# KiCad board hw-tele-stern.kicad_pcb (continued)
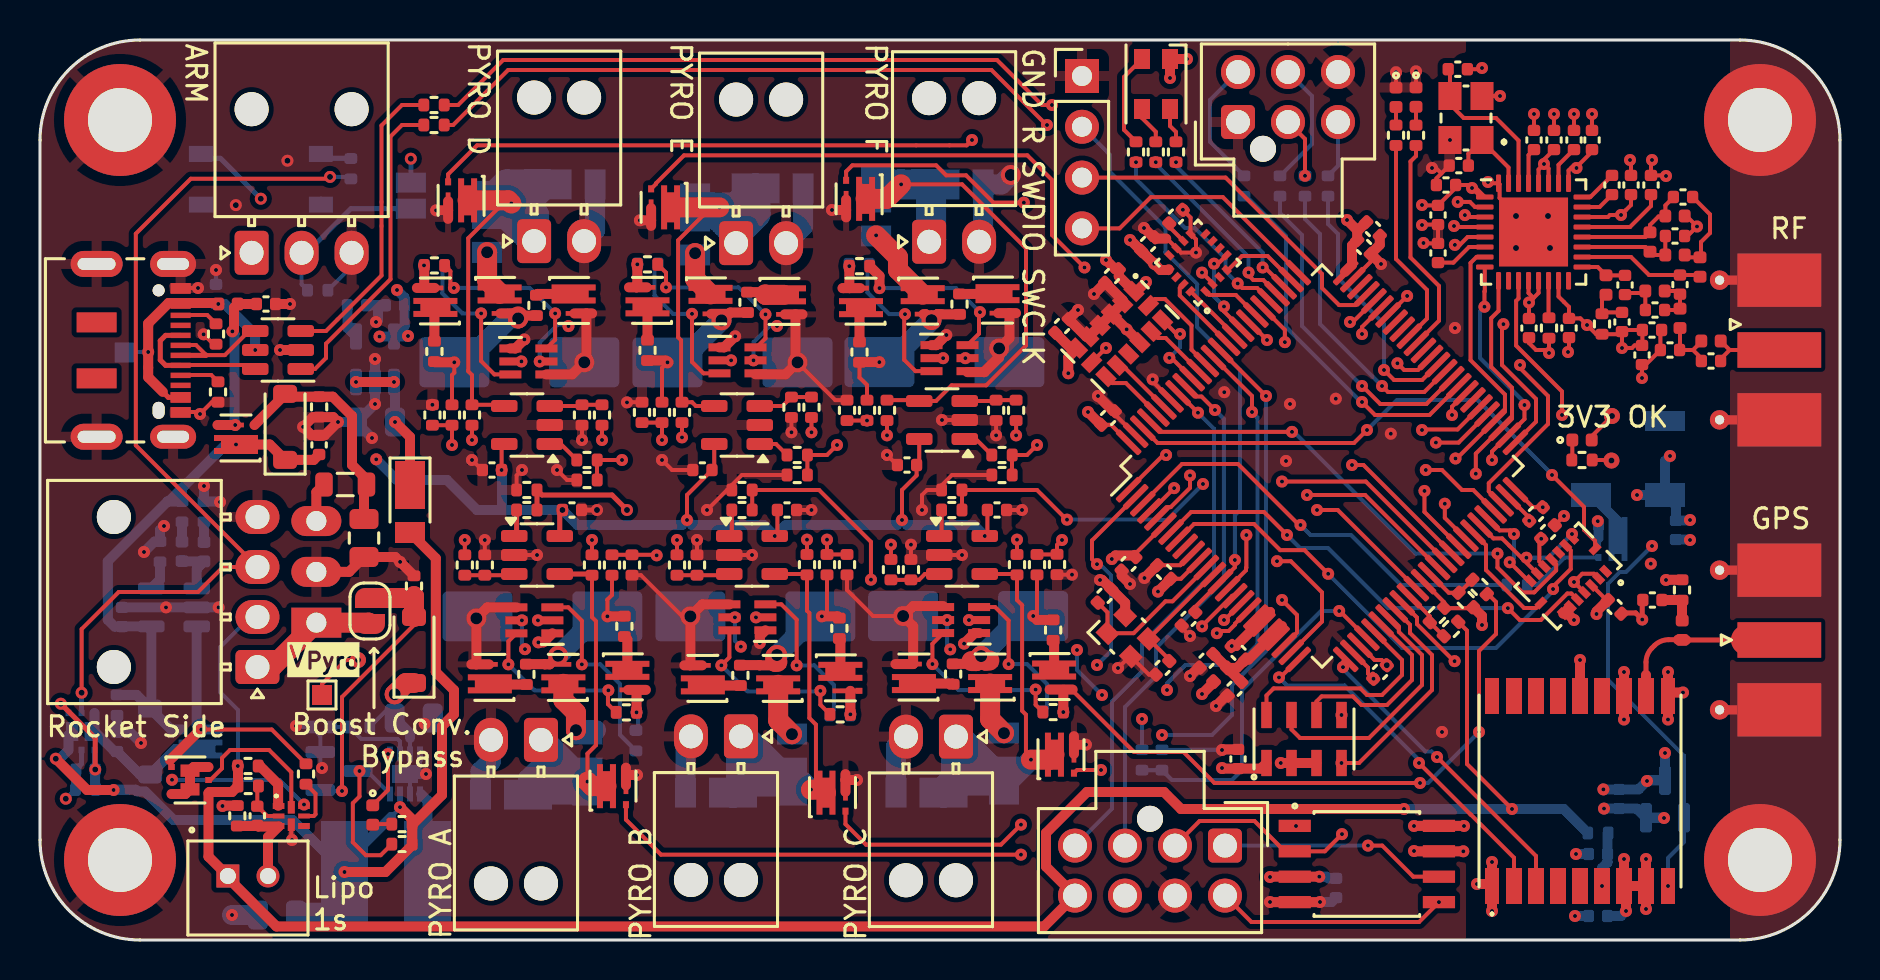
[diagram p0: board, top side]
## Library data of the parts (continued)
R22-R24 R38 R39 R44 R56-R58 R66-R68 R76-R78 R86-R88 = -: MPN: RC0402FR-07100KL; Spice_Netlist_Enabled: N; ki_fp_filters: R_*
R25 = -: MPN: ERJ-2RKF5601X; Spice_Netlist_Enabled: N; note: Checked; ki_fp_filters: R_*
R26 = -: MPN: CRGP0402F10K; Spice_Netlist_Enabled: N; note: Checked; ki_fp_filters: R_*
R27 = -: MPN: RC0402FR-07100KL; Spice_Netlist_Enabled: N; note: Checked; ki_fp_filters: R_*
R28 = -: MPN: RC0402FR-0760K4L; Spice_Netlist_Enabled: N; note: Checked; ki_fp_filters: R_*
R30 R32 = -: MPN: ERJ-U02F5602X; Spice_Netlist_Enabled: N; note: Checked; ki_fp_filters: R_*
R40-R43 = -: MPN: RK73H1ETTP2200F; Spice_Netlist_Enabled: N; note: Checked; ki_fp_filters: R_*
R52 R53 = -: MPN: CR0402-FX-1001GLF; Spice_Netlist_Enabled: N; note: Checked; ki_fp_filters: R_*
R54 R55 = -: MPN: RK73H1ETTP22R0F; Spice_Netlist_Enabled: N; note: Checked; ki_fp_filters: R_*
R64 = -: MPN: 603-RC0402FR-7W10RL; Spice_Netlist_Enabled: N; ki_fp_filters: R_*
R106 R107 = -: MPN: RK73H1ETTP2200F; Spice_Netlist_Enabled: N; ki_fp_filters: R_*
R171 = -: MPN: 603-RC0402FR-7W10RL; Spice_Netlist_Enabled: N; note: Checked; ki_fp_filters: R_*
R174 = -: MPN: CR0402-FX-1001GLF; ki_fp_filters: R_*
TP31 TP32 = -: ki_fp_filters: Pin* Test*
U1 = -: Datasheet: http://www.tracopower.com/products/tsr1.pdf; MPN: TSR 1-2450; ki_fp_filters: Converter*DCDC*TRACO*TSR?1*
U2 = -: Datasheet: http://ww1.microchip.com/downloads/en/DeviceDoc/20001984g.pdf; MPN: MCP73831T-2ACI/OT; ki_fp_filters: SOT?23*
U3 = -: Datasheet: https://www.mouser.de/datasheet/2/609/ADI-3122348.pdf
U4 = -: Datasheet: https://www.snapeda.com/parts/MS560702BA03-50/TE%20Connectivity/datasheet/
U5 = -: MPN: MX25L6433FM2I-08G
U6 = -: Datasheet: http://www.ti.com/lit/ds/symlink/cc1200.pdf; MPN: CC1200RHBT; ki_fp_filters: QFN*5x5mm*P0.5mm*
U7 = -: Datasheet: http://www.st.com/st-web-ui/static/active/en/resource/technical/document/datasheet/DM00049732.pdf; MPN: STM32L162VDT6; ki_fp_filters: LQFP*14x14mm*P0.5mm*
U8 = -: Datasheet: https://www.mouser.de/datasheet/2/1005/20200508464b1-2325217.pdf; Description: externally driven buzzer, 4kHz; MPN: 253-AD503PQ1; ki_fp_filters: *Buzzer*
U9 = -: Datasheet: https://www.mouser.de/datasheet/2/821/Memsic_09102019_MMC5983MA_Datasheet_Rev_A-1635338.pdf
U11 = -: Datasheet: http://ww1.microchip.com/downloads/en/DeviceDoc/21662F.pdf; MPN: TC2185-3.3VCTTR; ki_fp_filters: SOT?23*
U12 = -: Datasheet: https://www.mouser.de/datasheet/2/783/BST_BMI088_DS001-1509549.pdf
U13 = -: Datasheet: http://ww1.microchip.com/downloads/en/DeviceDoc/11184d.pdf; MPN: MCP130T-300I/TT; ki_fp_filters: SOT?23*
U14 = -: Datasheet: https://www.ti.com/general/docs/suppproductinfo.tsp?distId=26&gotoUrl=https://www.ti.com/lit/gpn/bq2980
U15 = -: Datasheet: https://www.st.com/resource/en/datasheet/usblc6-2.pdf; ki_fp_filters: SOT?23*
U16-U21 = -: Datasheet: https://www.ti.com/lit/ds/symlink/tl084.pdf?HQS=dis-dk-null-digikeymode-dsf-pf-null-wwe&ts=1704960963508; MPN: 595-TL081HIDBVR; ki_fp_filters: SOIC*3.9x4.9mm*P1.27mm* DIP*W7.62mm* TSSOP*3x3mm*P0.65mm*
U27 = -: Datasheet: https://www.mouser.de/datasheet/2/315/Panasonic_4_10_2023_Relay_Photomos__AQY282GSX_Seri-3135665.pdf; MPN: 769-AQY282GSX; ki_fp_filters: SO*4.4x4.3mm*P2.54mm*
X1 = -: MPN: ABM8W-40.0000MHZ-4-B1U-T3; ki_fp_filters: Crystal*
X2 = -: MPN: FA-20H 16.0000MF10Z-AJ0; ki_fp_filters: Crystal*

## Footprints (pads in the part's own frame, mm; a bottom-side part is the same pattern mirrored in y, then rotated)
AD-504-PQ1
  rect 2x1.2 smd: 1(-1.85,-1.85) 2(1.85,-1.85)
  rect 2x1 smd: 3(-1.85,1.85)
ad-lga-14
  rect 0.92x0.61 smd: 1(-1.01,2) 2(-1.01,1.2) 3(-1.01,0.4) 4(-1.01,-0.4) 5(-1.01,-1.2) 6(-1.01,-2) 8(1.01,-2) 9(1.01,-1.2) 10(1.01,-0.4) 11(1.01,0.4) 12(1.01,1.2) 13(1.01,2)
  rect 0.61x0.92 smd: 7(0,-2.01) 14(0,2.01)
ad-TDFN-8p-EP-2x2mm
  rect 0.75x0.3 smd: 1(-1,0.75) 2(-1,0.25) 3(-1,-0.25) 4(-1,-0.75) 5(1,-0.75) 6(1,-0.25) 7(1,0.25) 8(1,0.75)
  rect 0.9x1.3 smd: 9(0,0)
bosch-lga-16
  rect 0.35x0.59 smd: 1(-1.5,1.165) 2(-1,1.165) 3(-0.5,1.165) 4(0,1.165) 5(0.5,1.165) 6(1,1.165) 7(1.5,1.165) 9(1.5,-1.165) 10(1,-1.165) 11(0.5,-1.165) 12(0,-1.165) 13(-0.5,-1.165) 14(-1,-1.165) 15(-1.5,-1.165)
  rect 0.59x0.35 smd: 8(1.915,0) 16(-1.915,0)
C_0402_1005Metric
  rrect 0.56x0.62 smd: 1(-0.48,0) 2(0.48,0)
C_0805_2012Metric
  rrect 1x1.45 smd: 1(-0.95,0) 2(0.95,0)
Converter_DCDC_TRACO_TSR-1_THT
  rect 1.5x2.5 hole 1: 1(0,0)
  oval 1.5x2.5 hole 1: 2(2.54,0) 3(5.08,0)
CP_Elec_8x10
  rrect 3.5x2.5 smd: 1(-3.25,0) 2(3.25,0)
Crystal_SMD_Abracon_ABM3B-4Pin_3.2x2.5mm
  rect 1.4x1.15 smd: 1(-1.1,-0.488) 2(1.1,-0.488) 3(1.1,1.113) 4(-1.1,1.113)
Crystal_SMD_Abracon_ABM10-4Pin_2.5x2.0mm
  rect 0.8x0.9 smd: 1(-0.625,0.825) 2(-0.625,-0.825) 3(0.625,-0.825) 4(0.625,0.825)
D_PowerDI-123
  rect 2.4x1.5 smd: 1(-0.85,0)
  rect 1.05x1.5 smd: 2(1.525,0)
D_SOD-123
  rrect 0.9x1.2 smd: 1(-1.65,0) 2(1.65,0)
JEITA-sc88
  rect 1.1x0.4 smd: 1(-0.9,0.65) 2(-0.9,0) 3(-0.9,-0.65) 4(0.9,-0.65) 5(0.9,0) 6(0.9,0.65)
L_0402_1005Metric
  rrect 0.59x0.64 smd: 1(-0.485,0) 2(0.485,0)
L_0805_2012Metric
  rrect 0.875x1.2 smd: 1(-1.062,0) 2(1.062,0)
L_Bourns_SRN6045TA
  rect 2.35x5.1 smd: 1(-2.075,0) 2(2.075,0)
LED_0402_1005Metric
  rrect 0.59x0.64 smd: 1(-0.485,0) 2(0.485,0)
LED_Cree-PLCC4_3.2x2.8mm_CCW
  rect 1x0.8 smd: 1(-1.25,0.7) 2(-1.25,-0.7) 3(1.25,-0.7) 4(1.25,0.7)
LQFP-100_14x14mm_P0.5mm
  rrect 1.6x0.3 smd: 1(-7.675,6) 2(-7.675,5.5) 3(-7.675,5) 4(-7.675,4.5) 5(-7.675,4) 6(-7.675,3.5) 7(-7.675,3) 8(-7.675,2.5) 9(-7.675,2) 10(-7.675,1.5) 11(-7.675,1) 12(-7.675,0.5) 13(-7.675,0) 14(-7.675,-0.5) 15(-7.675,-1) 16(-7.675,-1.5) 17(-7.675,-2) 18(-7.675,-2.5) 19(-7.675,-3) 20(-7.675,-3.5) 21(-7.675,-4) 22(-7.675,-4.5) 23(-7.675,-5) 24(-7.675,-5.5) 25(-7.675,-6) 51(7.675,-6) 52(7.675,-5.5) 53(7.675,-5) 54(7.675,-4.5) 55(7.675,-4) 56(7.675,-3.5) 57(7.675,-3) 58(7.675,-2.5) 59(7.675,-2) 60(7.675,-1.5) 61(7.675,-1) 62(7.675,-0.5) 63(7.675,0) 64(7.675,0.5) 65(7.675,1) 66(7.675,1.5) 67(7.675,2) 68(7.675,2.5) 69(7.675,3) 70(7.675,3.5) 71(7.675,4) 72(7.675,4.5) 73(7.675,5) 74(7.675,5.5) 75(7.675,6)
  rrect 0.3x1.6 smd: 26(-6,-7.675) 27(-5.5,-7.675) 28(-5,-7.675) 29(-4.5,-7.675) 30(-4,-7.675) 31(-3.5,-7.675) 32(-3,-7.675) 33(-2.5,-7.675) 34(-2,-7.675) 35(-1.5,-7.675) 36(-1,-7.675) 37(-0.5,-7.675) 38(0,-7.675) 39(0.5,-7.675) 40(1,-7.675) 41(1.5,-7.675) 42(2,-7.675) 43(2.5,-7.675) 44(3,-7.675) 45(3.5,-7.675) 46(4,-7.675) 47(4.5,-7.675) 48(5,-7.675) 49(5.5,-7.675) 50(6,-7.675) 76(6,7.675) 77(5.5,7.675) 78(5,7.675) 79(4.5,7.675) 80(4,7.675) 81(3.5,7.675) 82(3,7.675) 83(2.5,7.675) 84(2,7.675) 85(1.5,7.675) 86(1,7.675) 87(0.5,7.675) 88(0,7.675) 89(-0.5,7.675) 90(-1,7.675) 91(-1.5,7.675) 92(-2,7.675) 93(-2.5,7.675) 94(-3,7.675) 95(-3.5,7.675) 96(-4,7.675) 97(-4.5,7.675) 98(-5,7.675) 99(-5.5,7.675) 100(-6,7.675)
MAXM10S00B
  rect 1.8x0.7 smd: 1(4.75,-4.4) 9(4.75,4.4) 10(-4.75,4.4) 18(-4.75,-4.4)
  rect 1.8x0.8 smd: 2(4.75,-3.3) 3(4.75,-2.2) 4(4.75,-1.1) 5(4.75,0) 6(4.75,1.1) 7(4.75,2.2) 8(4.75,3.3) 11(-4.75,3.3) 12(-4.75,2.2) 13(-4.75,1.1) 14(-4.75,0) 15(-4.75,-1.1) 16(-4.75,-2.2) 17(-4.75,-3.3)
memsic-lga-16
  rect 0.45x0.3 smd: 1(-1.275,0.75) 2(-1.275,0.25) 3(-1.275,-0.25) 4(-1.275,-0.75) 9(1.275,-0.75) 10(1.275,-0.25) 11(1.275,0.25) 12(1.275,0.75)
  rect 0.3x0.45 smd: 5(-0.75,-1.275) 6(-0.25,-1.275) 7(0.25,-1.275) 8(0.75,-1.275) 13(0.75,1.275) 14(0.25,1.275) 15(-0.25,1.275) 16(-0.75,1.275)
Molex_Nano-Fit_105310-xx06_2x03_P2.50mm_Vertical
  round 1.3 hole 1.3 unplated: (-1.34,-1.25)
  custom 1.7x1.7 hole 1.2: 1(0,0)
  round 1.7 hole 1.2: 2(0,-2.5) 3(0,-5) 4(2.5,0) 5(2.5,-2.5) 6(2.5,-5)
Molex_Nano-Fit_105310-xx08_2x04_P2.50mm_Vertical
  round 1.3 hole 1.3 unplated: (-1.34,-3.75)
  rrect 1.7x1.7 hole 1.2: 1(0,0)
  round 1.7 hole 1.2: 2(0,-2.5) 3(0,-5) 4(0,-7.5) 5(2.5,0) 6(2.5,-2.5) 7(2.5,-5) 8(2.5,-7.5)
Molex_Nano-Fit_105313-xx02_1x02_P2.50mm_Horizontal
  round 1.7 hole 1.7 unplated: (7.18,0) (7.18,-2.5)
  rrect 2.2x1.7 hole 1.2: 1(0,0)
  oval 2.2x1.7 hole 1.2: 2(0,-2.5)
Molex_Nano-Fit_105313-xx03_1x03_P2.50mm_Horizontal
  round 1.7 hole 1.7 unplated: (7.18,0) (7.18,-5)
  rrect 2.2x1.7 hole 1.2: 1(0,0)
  oval 2.2x1.7 hole 1.2: 2(0,-2.5) 3(0,-5)
Molex_Nano-Fit_105313-xx04_1x04_P2.50mm_Horizontal
  round 1.7 hole 1.7 unplated: (7.18,0) (7.18,-7.5)
  rrect 2.2x1.7 hole 1.2: 1(0,0)
  oval 2.2x1.7 hole 1.2: 2(0,-2.5) 3(0,-5) 4(0,-7.5)
MountingHole_3.2mm_M3_DIN965_Pad
  round 5.6 hole 3.2: 1(0,0)
PinHeader_1x04_P2.54mm_Vertical
  rect 1.7x1.7 hole 1: 1(0,0)
  oval 1.7x1.7 hole 1: 2(0,-2.54) 3(0,-5.08) 4(0,-7.62)
QFN-32-1EP_5x5mm_P0.5mm_EP3.45x3.45mm
  rrect 0.93x0.93 smd: (-1.15,1.15) (-1.15,0) (-1.15,-1.15) (0,1.15) (0,0) (0,-1.15) (1.15,1.15) (1.15,0) (1.15,-1.15)
  rrect 0.875x0.25 smd: 1(-2.438,1.75) 2(-2.438,1.25) 3(-2.438,0.75) 4(-2.438,0.25) 5(-2.438,-0.25) 6(-2.438,-0.75) 7(-2.438,-1.25) 8(-2.438,-1.75) 17(2.438,-1.75) 18(2.438,-1.25) 19(2.438,-0.75) 20(2.438,-0.25) 21(2.438,0.25) 22(2.438,0.75) 23(2.438,1.25) 24(2.438,1.75)
  rrect 0.25x0.875 smd: 9(-1.75,-2.438) 10(-1.25,-2.438) 11(-0.75,-2.438) 12(-0.25,-2.438) 13(0.25,-2.438) 14(0.75,-2.438) 15(1.25,-2.438) 16(1.75,-2.438) 25(1.75,2.438) 26(1.25,2.438) 27(0.75,2.438) 28(0.25,2.438) 29(-0.25,2.438) 30(-0.75,2.438) 31(-1.25,2.438) 32(-1.75,2.438)
  rect 3.45x3.45 smd: 33(0,0)
R_0402_1005Metric
  rrect 0.54x0.64 smd: 1(-0.51,0) 2(0.51,0)
SMA_Molex_73251-2120_EdgeMount_Horizontal
  rect 4.19x1.78 smd: 1(0,0)
  round 0.97 hole 0.46: 2(-2.985,3.493) 2(-2.985,-3.493)
  rect 0.89x0.46 smd: 2(-2.54,3.493) 2(-2.54,-3.493)
  rect 0.89x0.46 smd far side: 2(-2.54,3.493) 2(-2.54,-3.493)
  rect 4.19x2.665 smd: 2(0,3.493) 2(0,-3.493)
  rect 4.19x2.665 smd far side: 2(0,3.493) 2(0,-3.493)
SO-4_4.4x4.3mm_P2.54mm
  rect 1.2x0.8 smd: 1(-3,1.27) 2(-3,-1.27) 3(3,-1.27) 4(3,1.27)
SOIC127P790X216-8N
  rect 1.61x0.61 smd: 1(-3.605,1.905) 2(-3.605,0.635) 3(-3.605,-0.635) 4(-3.605,-1.905) 5(3.605,-1.905) 6(3.605,-0.635) 7(3.605,0.635) 8(3.605,1.905)
SolderJumper-2_P1.3mm_Open_Pad1.0x1.5mm
  rect 1x1.5 smd: 1(-0.65,0) 2(0.65,0)
SolderJumper-2_P1.3mm_Open_RoundedPad1.0x1.5mm
  custom 1x1.5 smd: 1(-0.65,0) 2(0.65,0)
SON125P300X500X100-8N
  rrect 1.31x0.53 smd: 1(-1.2,1.875) 2(-1.2,0.625) 3(-1.2,-0.625) 4(-1.2,-1.875) 5(1.2,-1.875) 6(1.2,-0.625) 7(1.2,0.625) 8(1.2,1.875)
SOT-23
  rrect 1.475x0.6 smd: 1(-0.938,0.95) 2(-0.938,-0.95) 3(0.938,0)
SOT-23-5
  rrect 1.325x0.6 smd: 1(-1.137,0.95) 2(-1.137,0) 3(-1.137,-0.95) 4(1.137,-0.95) 5(1.137,0.95)
SOT-23-6
  rrect 1.325x0.6 smd: 1(-1.137,0.95) 2(-1.137,0) 3(-1.137,-0.95) 4(1.137,-0.95) 5(1.137,0) 6(1.137,0.95)
TE_JST_1x2pin
  rect 1.15x1.15 hole 0.8: 1(0,0)
  round 1.15 hole 0.8: 2(2.007,0)
TestPoint_Pad_1.0x1.0mm
  rect 1x1 smd: 1(0,0)
TI-2XQFN
  rect 0.3x0.58 smd: 1(-0.5,-0.635) 3(0.5,-0.635) 5(0.5,0.635) 7(-0.5,0.635)
  rect 0.25x0.58 smd: 2(0,-0.635) 6(0,0.635)
  rect 0.63x0.35 smd: 4(0.435,0) 8(-0.435,0)
USB_C_Receptacle_JAE_DX07S016JA1R1500
  round 0.6 hole 0.6 unplated: (-3,1.95)
  rect 1x2 smd: (-1.4,-1.15) (1.4,-1.15)
  oval 0.85x0.6 hole 0.85x0.6 unplated: (3,1.95)
  rect 0.52x1 smd: A1(-3.1,3.05) A4(-2.35,3.05) A9(2.35,3.05) A12(3.1,3.05) B1(3.1,3.05) B4(2.35,3.05) B9(-2.35,3.05) B12(-3.1,3.05)
  rect 0.27x1 smd: A5(-1.75,3.05) A6(-0.25,3.05) A7(0.75,3.05) A8(1.75,3.05) B5(1.25,3.05) B6(0.25,3.05) B7(-0.75,3.05) B8(-1.25,3.05)
  oval 1.3x2.3 hole 0.6x1.6: S1(-4.32,2.675)
  oval 1.3x2.6 hole 0.6x1.9: S1(-4.32,-1.15) S1(4.32,-1.15)
  oval 1.2x2.3 hole 0.6x1.6: S1(4.32,2.675)
Vishay_PowerPAK_SC70-6L_Dual
  rect 0.325x0.3 smd: 1(-0.925,0.65) 2(-0.925,0) 3(-0.925,-0.65) 4(0.925,-0.65) 5(0.925,0) 6(0.925,0.65)
  rect 0.95x0.613 smd: 3(0,-0.467) 6(0,0.467)
Vishay_PowerPAK_SC70-6L_Single
  rect 0.6x0.8 smd: (-0.35,0.325) (0.35,0.325)
  rect 0.35x0.3 smd: 1(-0.925,-0.65) 2(0.925,-0.65)
  rect 0.87x0.235 smd: 2(0.04,-0.65)
  custom 2.2x0.95 smd: 3(0,0.325)

## Nets
+3.3VA: C600.1 C601.2 C602.1 L600.2 U7.21 U7.22
+3V3: C9.1 C10.1 C12.1 C22.1 C34.1 C35.1 C36.1 C37.1 C38.1 C39.1 C40.1 C41.1 C43.1 C44.1 C45.1 C46.1 C47.1 C50.1 C101.1 C102.1 C171.1 C172.1 C173.2 C221.1 C251.1 C271.1 C301.1 C302.1 D10.2 D15.1 IC2.7 IC2.8 J9.7 JP2.2 L600.1 R22.1 R23.1 R38.1 R39.1 R56.1 R57.1 R66.1 R67.1 R76.1 R77.1 R86.1 R87.1 R171.2 U3.1 U3.6 U4.1 U5.3 U5.7 U5.8 U6.1 U6.5 U6.12 U6.13 U6.15 U6.22 U6.25 U6.27 U6.28 U7.6 U7.11 U7.28 U7.50 U7.75 U7.100 U8.1 U9.2 U9.13 U11.5 U12.3 U12.11 U13.2
GND: C1.1 C2.2 C4.2 C5.1 C6.2 C7.2 C8.2 C9.2 C10.2 C11.2 C12.2 C14.2 C15.2 C16.2 C17.2 C18.2 C19.2 C20.2 C21.2 C22.2 C23.2 C24.2 C25.2 C26.2 C27.2 C28.2 C29.2 C30.1 C31.1 C32.1 C33.1 C34.2 C35.2 C36.2 C37.2 C38.2 C39.2 C40.2 C41.2 C42.2 C43.2 C44.2 C45.2 C46.2 C47.2 C48.2 C49.2 C50.2 C101.2 C102.2 C171.2 C172.2 C175.1 C210.2 C211.2 C221.2 C251.2 C261.2 C271.2 C291.2 C301.2 C302.2 C600.2 C601.1 C602.2 C610.2 D2.1 D9.1 D16.2 D17.2 D18.2 D19.2 D20.2 D21.2 H1.1 H2.1 H3.1 H4.1 IC1.2 IC1.8 IC1.9 IC2.1 IC2.10 IC2.12 J1.4 J2.3 J3.2 J4.2 J6.2 J7.2 J8.2 J9.6 J10.2 J11.2 J12.A1 J12.A12 J12.B1 J12.B12 J12.S1 J20.1 J21.1 J21.6 J91.2 L192.2 Q4.2 Q6.1 Q6.4 Q8.2 Q9.1 Q9.4 Q11.1 Q11.4 Q13.2 Q14.1 Q14.4 Q16.1 Q16.4 Q18.2 Q19.1 Q19.4 Q21.2 Q23.2 Q24.2 Q26.2 Q28.2 Q29.2 Q31.2 Q33.2 Q34.2 Q36.2 R1.2 R2.2 R4.2 R8.2 R10.2 R13.1 R15.2 R16.2 R24.2 R26.2 R28.2 R30.2 R31.2 R36.2 R44.2 R46.2 R58.2 R60.2 R68.2 R70.2 R74.2 R78.2 R80.2 R88.2 R90.2 R92.2 R94.2 R96.2 R98.2 R100.2 R102.2 R103.2 R104.1 U1.2 U2.2 U3.2 U3.3 U3.4 U3.5 U3.11 U4.2 U4.3 U5.4 U6.32 U6.33 U7.10 U7.19 U7.20 U7.27 U7.37 U7.49 U7.74 U7.94 U7.99 U9.9 U9.11 U11.2 U12.2 U12.4 U12.6 U12.7 U13.3 U14.4 U15.2 U16.2 U17.2 U18.2 U19.2 U20.2 U21.2 U27.2 U27.3 X1.2 X1.4 X2.2 X2.4
VBUS: C15.1 FB1.2 Q2.2
+BATT: B1.1 J1.2 J9.8 Q5.4 R12.1 R14.1 R25.1 R32.2
-BATT: B1.2 C13.1 R13.2 U14.3
/ARM: J2.2 JP2.1 Q6.2 Q9.2 Q11.2 Q14.2 Q16.2 Q19.2 R20.1 R103.1
/arm_3v3: R20.2 R36.1 U7.29
/Barometer/CS: U4.4 U4.5 U7.33
/Barometer/miso: U4.6 U7.31
/Barometer/mosi: U4.7 U7.32
/Barometer/sck: U4.8 U7.30
/bat_cutoff: C3.2 J1.3 Q3.2 Q3.5 R3.2 R174.1
/GPS/gps_ant_50ohm: IC2.11 J91.1 L3.1
/GPS/gps_vbckp: C49.1 IC2.6 R32.1
/GPS/gps_vcc_rf: IC2.14 R64.1
/GPS/rx: IC2.2 U7.25
/GPS/tx: IC2.3 U7.26
/High-G-Accelerometer/CS: U3.7 U7.63
/High-G-Accelerometer/INT1: U3.8 U7.96
/High-G-Accelerometer/INT2: U3.9 U7.95
/High-G-Accelerometer/miso: U3.12 U7.90
/High-G-Accelerometer/mosi: U3.13 U7.91
/High-G-Accelerometer/sck: U3.14 U7.89
/IMU/CS_accel: U7.8 U12.14
/IMU/CS_gyro: U7.7 U12.5
/IMU/INT_accel: U7.98 U12.16
/IMU/INT_gyro: U7.97 U12.12
/IMU/miso: U7.45 U12.10 U12.15
/IMU/mosi: U7.46 U12.9
/IMU/sck: U7.44 U12.8
/Magnetometer/CS: U7.77 U9.4
/Magnetometer/int: U7.86 U9.15
/Magnetometer/miso: U7.84 U9.5
/Magnetometer/mosi: U7.85 U9.16
/Magnetometer/sck: U7.82 U9.1
/microcontroller/beeper: R50.2 U7.3
/microcontroller/cs_companion0: J9.3 U7.92
/microcontroller/cs_companion1: J9.4 U7.93
/microcontroller/cs_flash: U5.1 U7.58
/microcontroller/led_green: R53.1 U7.66
/microcontroller/led_red: R52.1 U7.65
/microcontroller/pwm_a: R40.2 U7.59
/microcontroller/pwm_b: R41.2 U7.60
/microcontroller/pwm_c: R43.2 U7.61
/microcontroller/pwm_d: R42.2 U7.62
/microcontroller/reset_n: C610.1 J20.2 U7.14
/microcontroller/rgb_led_blue: R107.1 U7.78
/microcontroller/rgb_led_green: R106.1 U7.79
/microcontroller/rgb_led_red: R105.1 U7.80
/microcontroller/servo_a: J21.4 R40.1
/microcontroller/servo_b: J21.5 R41.1
/microcontroller/servo_c: J21.2 R43.1
/microcontroller/servo_d: J21.3 R42.1
/microcontroller/stm32_usbd+: R55.1 U7.71
/microcontroller/stm32_usbd-: R54.1 U7.70
/microcontroller/swclk: J20.4 U7.76
/microcontroller/swdio: J20.3 U7.72
/microcontroller/v_batt: R25.2 R26.1 U7.35
/microcontroller/v_pbatt: R27.2 R28.1 U7.38
/microcontroller/xtal_1: C32.2 U7.12 X2.1
/microcontroller/xtal_2: C33.2 U7.13 X2.3
/POWER/boost_lx: IC1.1 L2.2
/POWER/traco_clean: C1.2 D3.2 L1.2 Q2.1 R2.1
/POWER/v_bypass: D7.2 JP1.2 Q4.1 R104.2
/POWER/v_charge: C4.1 C6.1 D1.2 D3.1 Q1.1 Q2.3 R1.1 R7.1 U2.4
/POWER/v_ldo_in: C8.1 D8.1 U11.1 U11.3
/POWER/v_pack: Q1.2 Q5.1 R11.1 U2.3
/POWER/v_radiosilence_bidirect: C3.1 Q3.1 Q3.4 R3.1
/POWER/v_system: C5.2 D8.2 IC1.3 L2.1 Q3.3 R5.2 R6.2
/POWER/v_system_selected: C2.1 D1.1 Q1.3 Q3.6
/power_good: IC2.9 U6.2 U13.1
/PYRO A/cap_voltage: R93.2 R94.1 U7.16
/PYRO A/fire: Q9.5 U7.87
/PYRO A/pyro_charge_prelimit: Q12.3 R34.1
/PYRO A/pyro_discharge: Q13.3 R35.1
/PYRO A/pyro_ign+: D12.1 D17.1 J3.1 Q24.3 R38.2 U16.4
/PYRO A/pyro_narm: Q9.6 Q12.1 Q13.1 R33.2
/PYRO A/pyro_nfire: Q9.3 Q15.1 R37.2
/PYRO A/pyro_unprotected: D12.2 Q15.3
/PYRO A/pyro_vcap: C18.1 Q15.2 R34.2 R35.2 R93.1
/PYRO A/pyro_wsbridge_ref: R39.2 R44.1 U16.3
/PYRO A/sense: R45.2 R46.1 U7.55
/PYRO A/short: Q24.1 U7.43
/PYRO A/ws_comp: R45.1 U16.1
/PYRO B/cap_voltage: R91.2 R92.1 U7.17
/PYRO B/fire: Q6.5 U7.88
/PYRO B/pyro_charge_prelimit: Q7.3 R18.1
/PYRO B/pyro_discharge: Q8.3 R19.1
/PYRO B/pyro_ign+: D11.1 D16.1 J4.1 Q26.3 R22.2 U17.4
/PYRO B/pyro_narm: Q6.6 Q7.1 Q8.1 R17.2
/PYRO B/pyro_nfire: Q6.3 Q10.1 R21.2
/PYRO B/pyro_unprotected: D11.2 Q10.3
/PYRO B/pyro_vcap: C16.1 Q10.2 R18.2 R19.2 R91.1
/PYRO B/pyro_wsbridge_ref: R23.2 R24.1 U17.3
/PYRO B/sense: R29.2 R31.1 U7.56
/PYRO B/short: Q26.1 U7.42
/PYRO B/ws_comp: R29.1 U17.1
/PYRO C/cap_voltage: R95.2 R96.1 U7.18
/PYRO C/fire: Q11.5 U7.2
/PYRO C/pyro_charge_prelimit: Q17.3 R48.1
/PYRO C/pyro_discharge: Q18.3 R49.1
/PYRO C/pyro_ign+: D13.1 D18.1 J6.1 Q29.3 R56.2 U18.4
/PYRO C/pyro_narm: Q11.6 Q17.1 Q18.1 R47.2
/PYRO C/pyro_nfire: Q11.3 Q20.1 R51.2
/PYRO C/pyro_unprotected: D13.2 Q20.3
/PYRO C/pyro_vcap: C20.1 Q20.2 R48.2 R49.2 R95.1
/PYRO C/pyro_wsbridge_ref: R57.2 R58.1 U18.3
/PYRO C/sense: R59.2 R60.1 U7.40
/PYRO C/short: Q29.1 U7.47
/PYRO C/ws_comp: R59.1 U18.1
/PYRO D/cap_voltage: R97.2 R98.1 U7.23
/PYRO D/fire: Q14.5 U7.1
/PYRO D/pyro_charge_prelimit: Q22.3 R62.1
/PYRO D/pyro_discharge: Q23.3 R63.1
/PYRO D/pyro_ign+: D14.1 D19.1 J7.1 Q31.3 R66.2 U19.4
/PYRO D/pyro_narm: Q14.6 Q22.1 Q23.1 R61.2
/PYRO D/pyro_nfire: Q14.3 Q25.1 R65.2
/PYRO D/pyro_unprotected: D14.2 Q25.3
/PYRO D/pyro_vcap: C24.1 Q25.2 R62.2 R63.2 R97.1
/PYRO D/pyro_wsbridge_ref: R67.2 R68.1 U19.3
/PYRO D/sense: R69.2 R70.1 U7.41
/PYRO D/short: Q31.1 U7.69
/PYRO D/ws_comp: R69.1 U19.1
/PYRO E/cap_voltage: R99.2 R100.1 U7.24
/PYRO E/fire: Q16.5 U7.5
/PYRO E/pyro_charge_prelimit: Q27.3 R72.1
/PYRO E/pyro_discharge: Q28.3 R73.1
/PYRO E/pyro_ign+: D20.1 D22.1 J10.1 Q34.3 R76.2 U20.4
/PYRO E/pyro_narm: Q16.6 Q27.1 Q28.1 R71.2
/PYRO E/pyro_nfire: Q16.3 Q30.1 R75.2
/PYRO E/pyro_unprotected: D22.2 Q30.3
/PYRO E/pyro_vcap: C26.1 Q30.2 R72.2 R73.2 R99.1
/PYRO E/pyro_wsbridge_ref: R77.2 R78.1 U20.3
/PYRO E/sense: R79.2 R80.1 U7.39
/PYRO E/short: Q34.1 U7.83
/PYRO E/ws_comp: R79.1 U20.1
/PYRO F/cap_voltage: R101.2 R102.1 U7.15
/PYRO F/fire: Q19.5 U7.4
/PYRO F/pyro_charge_prelimit: Q32.3 R82.1
/PYRO F/pyro_discharge: Q33.3 R83.1
/PYRO F/pyro_ign+: D21.1 D23.1 J11.1 Q36.3 R86.2 U21.4
/PYRO F/pyro_narm: Q19.6 Q32.1 Q33.1 R81.2
/PYRO F/pyro_nfire: Q19.3 Q35.1 R85.2
/PYRO F/pyro_unprotected: D23.2 Q35.3
/PYRO F/pyro_vcap: C28.1 Q35.2 R82.2 R83.2 R101.1
/PYRO F/pyro_wsbridge_ref: R87.2 R88.1 U21.3
/PYRO F/sense: R89.2 R90.1 U7.36
/PYRO F/short: Q36.1 U7.81
/PYRO F/ws_comp: R89.1 U21.1
/RF-tranciever/ANT: C177.2 J8.1 L174.2
/RF-tranciever/cs_radio: U6.11 U7.34
/RF-tranciever/radio_int: U6.4 U7.48
/RF-tranciever/radio_marc_isr: U6.3 U7.51
/RF-tranciever/rf_lnan: C191.1 L191.2 L192.1 U6.20
/RF-tranciever/rf_lnap: C210.1 L191.1 L201.1 U6.19
/RF-tranciever/rf_lpf0: C231.1 U6.23
/RF-tranciever/rf_lpf1: C231.2 U6.24
/RF-tranciever/rf_net_c174: C174.2 C176.1 L172.1
/RF-tranciever/rf_net_l171: C173.1 L171.2 R171.1
/RF-tranciever/rf_net_l172: C176.2 C181.2 L172.2 L173.1
/RF-tranciever/rf_net_l173: C175.2 C177.1 L173.2 L174.1
/RF-tranciever/rf_net_l201: C191.2 L193.1 L201.2
/RF-tranciever/rf_pa: C174.1 L171.1 U6.17
/RF-tranciever/rf_trxsw: C181.1 L193.2 U6.18
/SPI2.miso: J9.2 U5.2 U6.9 U7.53
/SPI2.mosi: J9.5 U5.5 U6.7 U7.54
/SPI2.sck: J9.1 U5.6 U6.8 U7.52
/USB/usb_cc: J12.A5 R16.1
/USB/usb_vbus: C14.1 FB1.1 J12.A4 J12.A9 J12.B4 J12.B9 TP32.1 U15.5
/USB/usb_vconn: J12.B5 R15.1
/USB/usbd+: R55.2 U15.3
/USB/usbd-: R54.2 U15.1
/USB/usbdm_in: J12.A7 J12.B7 U15.6
/USB/usbdp_in: J12.A6 J12.B6 U15.4
/v_rocket: J1.1 JP1.1 U1.1
VPyro: C7.1 C17.1 C19.1 C23.1 C25.1 C27.1 C29.1 D7.1 IC1.7 J2.1 Q7.2 Q12.2 Q17.2 Q22.2 Q27.2 Q32.2 R9.1 R17.1 R21.1 R27.1 R33.1 R37.1 R47.1 R51.1 R61.1 R65.1 R71.1 R75.1 R81.1 R85.1 TP31.1 U16.5 U17.5 U18.5 U19.5 U20.5 U21.5 U27.4
Net-(C48-Pad1): C48.1 L3.2 R64.2
Net-(D2-A): D2.2 R53.2
Net-(D4-A): D4.2 R5.1
Net-(D4-K): D4.1 IC1.5
Net-(D5-A): D5.2 R7.2
Net-(D5-K): D5.1 D6.2 U2.1
Net-(D6-K): D6.1 R8.1
Net-(D9-A): D9.2 R52.2
Net-(D10-K): D10.1 R74.1
Net-(D15-BK): D15.4 R107.2
Net-(D15-GK): D15.3 R106.2
Net-(D15-RK): D15.2 R105.2
Net-(IC1-EN): IC1.4 Q4.3 R6.1
Net-(IC1-FB): IC1.6 R9.2 R10.1
Net-(Q5A-D): Q5.3 Q5.6
Net-(Q5A-G): Q5.2 U14.7
Net-(Q5B-G): Q5.5 U14.8
Net-(Q21-D): Q21.3 U8.2
Net-(Q21-G): Q21.1 R50.1
Net-(R174-Pad2): R174.2 U27.1
Net-(U1-Vout): L1.1 U1.3
Net-(U2-PROG): R4.1 U2.5
Net-(U6-DCPL): C42.1 U6.6
Net-(U6-DCPL_PFD_CHP): C261.1 U6.26
Net-(U6-DCPL_VCO): C211.1 U6.21
Net-(U6-DCPL_XOSC): C291.1 U6.29
Net-(U6-RBIAS): R30.1 U6.14
Net-(U6-XOSC_Q1): C31.2 U6.30 X1.3
Net-(U6-XOSC_Q2): C30.2 U6.31 X1.1
Net-(U9-CAP): C21.1 U9.10
Net-(U11-BP): C11.1 U11.4
Net-(U14-BAT): R12.2 U14.1
Net-(U14-PACK): R11.2 U14.6
Net-(U14-VDD): C13.2 R14.2 U14.2

Pads without a net: IC2 4 5 13 15 16 17 18; J12 A8 B8; U3 10; U6 10 16; U7 9 57 64 67 68 73; U8 3; U9 3 6 7 8 12 14; U12 1 13; U14 5

## Via types
v1: diameter 0.6, hole 0.2, F.Cu (Sig+GND) to B.Cu (Sig+12v), 385 vias
v2: diameter 1, hole 0.3, F.Cu (Sig+GND) to B.Cu (Sig+12v), 4 vias
v3: diameter 1, hole 0.6, F.Cu (Sig+GND) to B.Cu (Sig+12v), 19 vias
v4: diameter 0.6, hole 0.3, F.Cu (Sig+GND) to B.Cu (Sig+12v), 14 vias
v5: diameter 0.8, hole 0.3, F.Cu (Sig+GND) to B.Cu (Sig+12v), 3 vias

## Routing (per net, layer and track width the routed paths; a pad name or vN(x,y) marks a point on that pad's centre or on a via; arc(x,y) is an arc through that point)
+3.3VA: length 5.6
  F.Cu (Sig+GND) w0.5: 62.1,15.7 60.42,14.02 C600.1 59.85,13.6 L600.2 ; C602.1 C601.2
+3V3: length 104.1
  F.Cu (Sig+GND) w0.2: U6.13 74.93,32.35 74.67,32.1 ; 74.67,32.1 v1(74.45,31.88) C45.1 ; 74.67,32.1 74.43,32.35 U6.12 ; U6.22 78.4,36.15 78.5,36.25 v1(79.05,36.25) 79.55,36.75 C221.1 ; U7.11 57.05,18.06 C35.1 ; v1(70.74,34.76) 70.99,34.76 71.38,35.15 U6.5 ; R23.1 v1(31.85,20) ; C40.1 53.55,25.76 U7.100 ; R77.1 v1(38.57,25.39) ; v1(75.2,38.8) 75.2,39.02 C271.1 ; v1(75.2,38.8) 74.93,38.53 U6.28 ; v1(75.2,38.8) 75.43,38.57 U6.27 ; U12.11 74.97,18.92 74.97,19.97 v1(75.06,20.06) ; R22.1 v1(38.35,20.02) ; R76.1 v1(32.1,25.13) ; U9.2 58.62,32.84 v1(58.1,33.37) ; D10.2 77.58,25.19 v5(78.6,26.2) ; R38.1 v1(27.6,20) ; U6.25 76.43,38.48 76.58,38.62 76.6,38.6 v1(76.83,38.6) 76.83,38.64 77.7,39.52 ; R86.1 v1(42.35,25.23) ; 79.18,30.5 C171.1 80.12,29.75 ; R67.1 v1(28.1,25) ; U12.3 77.59,17.73 78.36,16.96 ; R56.1 v1(48.85,20.02) ; R57.1 v1(42.55,19.77) ; v1(69.1,36.75) 69.12,36.73 C44.1 70.92,37.75 71.64,37.75 U6.1 72.05,37.15 v1(71.6,37.6) 71.45,37.75 C43.1 ; v4(67.34,13.74) 67.08,14 66.73,14 U7.28 ; U7.50 74.65,21.64 v1(75.14,21.64) ; R87.1 v1(48.8,25.23) ; C173.2 v1(79.1,29.6) 79.6,29.6 79.73,29.73 C172.1 ; R66.1 v1(21.6,25) ; C36.1 54.76,19.31 U7.6 ; R39.1 v1(21.24,20) ; C22.1 56.02,33.5 U9.13 ; U6.15 75.93,32.17 76.45,31.65 C47.1 77.02,31.08 77.81,30.29 R171.2 78.97,30.29
  F.Cu (Sig+GND) w0.5: v1(79.2,4.05) IC2.7 IC2.8 ; v1(53.3,34) 53.76,33.54 C101.1 53.94,33.19 U3.1 54.83,32.43 v1(55.3,32.9) ; C36.1 54.68,19.23 53.77,19.23 v1(53.59,19.05) ; v1(63.96,3.17) U5.3 61.52,3.17 v1(61.5,3.15) ; U4.1 61.05,8.57 C10.1 59.13,8.57 v1(59.1,8.6) ; IC2.8 v1(80.3,1.55) ; IC2.8 v1(80.3,4.05) ; 65.25,33.41 65.6,33.76 65.6,34.73 C39.1 65.86,35.44 C34.1 65.89,35.46 v1(65.35,36) ; v1(56.5,43.1) D15.1 v1(57.35,44.05) ; v1(54.5,35) 54.52,35 55.31,34.21 ; 78.36,16.96 77.83,16.43 v1(77.83,16.3) ; v1(58.1,12.3) 58.68,12.88 L600.1 ; v1(52.4,26.4) 53.04,25.76 C40.1 ; v1(71.2,5.7) 71.2,5.7 U5.8 68.7,5.7 v1(68.7,5.7) ; v1(51.41,28.34) 51.41,29.14 U3.6 51.52,29.6 C102.1 ; v1(68.7,4.45) 68.71,4.44 U5.7 v1(71.17,4.44) ; v1(79.3,1.45) 79.3,2.6 ; C22.1 v1(55.71,33.81) 56.02,33.5 56.4,33.5 56.43,33.53 ; v1(55.9,17.42) C35.1
  B.Cu (Sig+12v) w0.25: JP2.2 v4(18.54,39.06)
  B.Cu (Sig+12v) w0.5: U11.5 18.23,30.7 C12.1 18.23,32.12 v1(17.85,32.5) ; U11.5 18.38,30.17 v1(18.4,30.2) ; U11.5 16.98,30.17 v1(16.98,30.17) ; v1(81.2,6.1) 81.19,6.11 U13.2 79.84,6.57 C9.1 v1(78.2,6.57) ; C46.1 79.05,1.2 v1(79.3,1.45) ; v1(79.85,22.25) U8.1 ; U8.1 81.25,23.95 v1(81.5,24.2) ; U8.1 81.8,21.7 C50.1 82.48,20.98 v1(82.5,21) ; C41.1 64.42,3.08 64.33,3.17 v1(63.96,3.17)
  vias: v1(77.35,30.75)
GND: length 262.1
  F.Cu (Sig+GND) w0.2: v1(25.85,23.5) 26.35,23 R70.2 ; U7.99 53.74,26.28 C40.2 ; 80.29,28.77 C175.1 81.02,30.44 ; Q11.4 43.61,16.65 v3(43.16,16.2) 41.65,16.2 40.35,17.5 R92.2 ; 56.31,35.07 56.35,35.07 U9.11 57.05,34.37 v1(57.8,34.37) 57.8,35.03 U9.9 57.53,36.12 C21.2 v1(57.14,36.51) ; R58.2 v1(43.55,19.77) ; U7.94 55.63,27.93 v1(55.63,28.03) ; v1(80.6,39) 80.55,38.95 C211.2 81.27,38.23 v1(81.3,38.2) ; C23.2 v1(49.1,21.5) ; U18.2 v1(46.1,19.25) ; R78.2 v1(37.57,25.39) ; R88.2 v1(47.8,25.23) ; v1(57.5,15.2) 57.09,15.61 C610.2 ; 82.35,36.17 v1(82.85,35.67) 82.38,35.2 ; C291.2 v1(74.7,41.3) ; Q19.4 47.02,28.44 47.95,29.37 v3(47.95,29.58) ; R94.2 30.05,18.24 32.11,16.18 v3(32.52,16.18) ; U14.4 12.56,5.03 v1(12.6,5) ; 70.07,38.33 C30.1 ; 70.07,38.33 69.8,38.6 v1(69.6,38.6) ; 70.07,38.33 69.82,38.08 C43.2 ; R24.2 v1(32.85,20) ; R90.2 45.6,23.25 45.08,22.73 R60.2 44.35,22.5 44.1,22.25 v1(44.1,21.5) ; v1(72.4,37.9) 72.46,37.84 U6.32 72.98,37.79 72.98,37.1 U6.33 ; v1(53.9,13.6) 54.47,14.17 X2.2 55.45,13.27 C33.1 ; U12.4 v1(76.7,17.9) 77.11,18.31 77.7,18.31 U12.2 ; 7.05,32.6 v1(7.9,32.6) ; U17.2 v1(35.6,19.25) ; R100.2 29.36,26.89 v1(29.35,26.88) ; v1(33.35,21.5) 34.35,22.5 R31.2 34.59,22.75 35.09,23.25 R80.2 ; R44.2 v1(22.24,20) ; v1(42.35,24.25) 42.85,23.75 C29.2 ; C27.2 31.6,23.5 v1(31.1,24) ; U16.2 v1(24.85,19.25) ; U7.37 70.21,16.88 R26.2 70.23,16.59 71.71,16.59 71.8,16.5 ; U7.10 57.02,18.74 C35.2 ; C221.2 79.55,38.95 v1(79.5,39) ; R46.2 23.83,23.23 v1(24.1,23.5) ; C261.2 v1(76.7,41.3) ; C45.2 74.45,29.85 74.8,29.5 75.3,29.5 v1(75.45,29.35) R30.2 ; C47.2 76.45,29.45 v1(76.4,29.4) ; C251.2 v1(77.6,41.3) ; R102.2 39.77,26.99 v3(37.88,28.88) 37.33,28.33 Q16.4 ; v1(21.6,24) 22.1,23.5 C25.2 ; U7.74 66.54,33.92 C39.2 ; R15.2 8.59,26.89 v1(8,26.3) 7.9,26.4 7.05,26.4 ; v5(78.57,23.97) 78.55,24 R74.2 ; C302.2 v1(76.2,21.2) ; v1(69.1,35.75) 69.12,35.77 C44.2 C42.2 69.19,34.83 v1(69.17,34.85) ; v1(73,42.2) 71.69,42.2 ; C37.2 66.4,13.32 66.4,13.62 U7.27 ; D2.1 v1(67.8,43.39) ; 68.8,42.62 v1(68.8,43.44) ; U21.2 v1(45.1,26) ; R96.2 v1(51.6,18.27) ; R16.2 8.67,29.79 v1(8.18,30.28) ; C31.1 72.04,43.54 v1(72.1,43.6) ; v1(38.57,21.5) C17.2 ; R104.1 17.76,19.15 ; C271.2 v1(75.7,41.3) ; C172.2 v1(80.1,28.1) ; v1(74.46,20.96) 74.46,21.12 U7.49 ; R68.2 v1(27.1,25) ; U7.19 U7.20
  F.Cu (Sig+GND) w0.25: C48.2 80.11,16.97 v1(80.11,16.02) 79.78,16.35 79.2,16.35 ; C19.2 v4(27.85,21.5)
  F.Cu (Sig+GND) w0.5: v1(59.1,9.5) 59.13,9.53 C10.2 ; 81.4,12.38 v1(81.4,11.03) ; 81.4,12.38 v1(81.4,13.4) ; 81.4,12.38 v1(82.15,12.38) ; Q19.1 44.81,29.74 v1(45.32,30.25) ; U15.2 v1(12,29.5) ; Q23.2 27.32,31.33 ; 27.32,31.33 27.32,28.99 v3(27.21,28.89) 26.61,28.28 Q14.4 ; 27.32,31.33 Q23.2 ; 21.82,13.78 Q13.2 ; 21.82,13.78 Q13.2 ; 21.82,13.78 v3(21.82,16.08) 22.37,16.63 Q9.4 ; v1(62.04,8.85) U4.2 U4.3 ; 37.78,31.28 Q28.2 ; 37.78,31.28 Q28.2 ; 37.78,31.28 37.78,28.98 v3(37.88,28.88) 37.28,28.28 35.78,28.28 ; 45.16,16.7 43.66,16.7 v3(43.16,16.2) 43.66,15.7 Q18.2 Q18.2 ; 30.56,35.98 v1(30,35.98) ; 30.56,35.98 Q34.2 ; 30.56,35.98 Q34.2 ; v1(72.1,15.75) 72.1,16.2 71.8,16.5 ; Q26.2 40.27,8 ; 40.27,8 v1(40.85,8) ; 40.27,8 Q26.2 ; v1(67.05,33.8) C39.2 66.99,34.76 C34.2 ; 29.3,8.25 v1(29.85,8.25) ; 29.3,8.25 Q24.2 ; 29.3,8.25 Q24.2 ; 72.6,2.8 v1(72.6,3.9) ; 72.6,2.8 v1(71.85,2.8) ; 72.6,2.8 v1(72.6,1.45) ; C602.2 57.92,13.62 v1(57.5,13.2) ; Q6.1 35.99,15.2 v1(35.99,14.85) ; Q8.2 32.52,13.73 ; 32.52,13.73 v3(32.52,16.18) 33.12,16.78 Q6.4 ; 32.52,13.73 Q8.2 ; v1(52.7,32.3) C101.2 54.13,31.99 U3.2 U3.3 ; v1(24.22,30.03) 23.77,29.58 Q14.1 ; 56.31,35.07 55.81,35.07 C22.2 55.66,35.14 v1(55.2,35.6) ; Q29.2 51.7,9.77 ; 51.7,9.77 Q29.2 ; 51.7,9.77 v1(52.3,9.77) ; v1(52.9,27.2) 53.66,26.44 C40.2 ; Q33.2 48.48,31.34 ; 48.48,31.34 48.48,30.1 v3(47.95,29.58) 47.95,29.12 47.23,28.39 46.38,28.39 ; 48.48,31.34 Q33.2 ; v1(54.5,17.8) 54.09,18.21 C36.2 ; U3.3 U3.4 U3.5 52.31,30.17 C102.2 v1(51.9,31.5) ; U3.3 U3.11 ; v1(64,1.9) 63.99,1.89 U5.4 61.51,1.89 v1(61.5,1.9) ; 20.41,36.48 Q31.2 ; 20.41,36.48 Q31.2 ; 20.41,36.48 v1(19.81,36.48) ; Q9.1 25.17,14.88 v1(24.92,14.88) ; v1(53,18) 53.11,18 C32.1 54.26,16.85 X2.4 ; Q11.1 46.73,15.35 v1(46.2,14.82) ; 40.31,36.5 Q36.2 ; 40.31,36.5 v1(39.6,36.5) ; 40.31,36.5 Q36.2 ; R13.1 9.14,6.72 v1(9.12,6.7) ; v1(79.2,13.4) v1(79.2,11.03) ; R104.1 v1(18,18.91) 17.76,19.15 C1.1 15.46,18.41 U1.2 ; 76.38,16.32 v1(76.7,16) ; 60.6,15.5 61.5,16.4 59.8,14.7 v1(59.59,14.7) ; U12.7 76.46,16.62 ; C601.1 59.32,12.22 v1(58.8,11.7) ; v1(55.22,18.1) C35.2 ; v1(34.76,30.19) 34.2,29.63 Q16.1 ; C15.2 v1(12.5,31.8) ; R2.2 13.64,26.14 v1(13.16,25.66) 13.58,25.23 C4.2 14.23,25.23 v1(14.9,25.9) 14.66,26.14 R2.2
  B.Cu (Sig+12v) w0.2: IC1.2 18.5,8.05 IC1.9 18.62,8.3 19,8.67 IC1.8 ; v1(59.1,9.5) 59.09,9.51 R36.2 ; C14.2 v1(8.8,33.5) ; v1(12.8,10.7) 12.85,10.65 R10.2 14.01,10.2 14.01,8.69 v1(14.1,8.6) ; R103.2 15.58,33.67 J2.3
  B.Cu (Sig+12v) w0.25: 8.05,36.77 U27.3 ; 14.04,37.05 14.04,36.54
  B.Cu (Sig+12v) w0.5: v1(16.75,29.05) U11.2 v1(16.75,26.8) C8.2 ; C18.2 21.87,16.13 v3(21.82,16.08) ; C46.2 v1(76.75,1.2) ; v1(8.93,16.63) U2.2 v1(6.3,16.63) C6.2 ; v1(19.24,10.81) 19.35,10.81 C7.2 ; v1(78.17,7.53) C9.2 79.93,7.53 v1(80.35,7.95) 80.39,7.99 U13.3 v1(81.25,9.35) ; v1(77.89,20.94) 77.92,20.9 77.92,20.6 ; Q21.2 77.92,20.6 ; 77.92,20.6 Q21.2 ; 16.9,31.74 16.9,31 v1(16.8,30.9) ; 16.9,31.74 C12.2 ; 16.9,31.74 C11.2 ; v1(5.05,9.85) 4.52,10.38 C2.2 R1.2 ; v1(5.2,19.4) 5.73,19.92 R4.2 6,20.5 v1(6.2,20.7) ; C8.2 v1(14.9,25.9) ; C8.2 15.85,25.85 v1(16.6,25.1) ; v1(8.2,22.7) R8.2 8.98,21.92 v1(9,21.9) ; IC1.9 v1(19.3,8.3) ; C41.2 64.58,1.9 v1(64,1.9) ; v1(82.5,20) 82.48,20.02 C50.2 ; v1(76.8,4.3) 77.12,4.3
  B.Cu (Sig+12v) w1: J3.2 22.55,8.95 22.02,8.42 D17.2 ; D20.2 38.16,35.69 J10.2 ; J7.2 27.75,35.49 D19.2 ; C5.1 v1(9.6,1.25) ; J6.2 42.8,9.67 D18.2 ; J4.2 32.55,10.02 32.27,9.74 D16.2 ; v3(48.54,38.25) 48.07,37.78 D21.2 47.16,35.11 J11.2
  vias: v1(19.62,26.76) v1(54.33,30.53) v1(59.21,27.39) v1(62.3,23.95) v1(62.5,26.8) v1(64.79,27.06) v1(66.68,13.06) v1(67.54,25.31) v1(70.1,10.4) v1(70.5,40) v1(70.75,30.6) v1(80.54,18.81) v2(73.8,36.2) v2(73.8,34.6) v2(75.4,36.2) v2(75.5,34.6) v4(9.79,36.74) v4(12.37,38.96)
